# Altium PCB DC-DC_Conv.PcbDoc (part 3 of 3)
Units mm, origin at the board's own origin, x right, y up, seen from the top; angles counter-clockwise.
Board outline 250.1 x 400.1 mm, 4 copper layers (Top Layer 1, Top Layer, Bottom Layer, Bottom Layer 1), stack 0.603 mm thick; 353 components, 158 nets, 950 pads, 1314 vias.
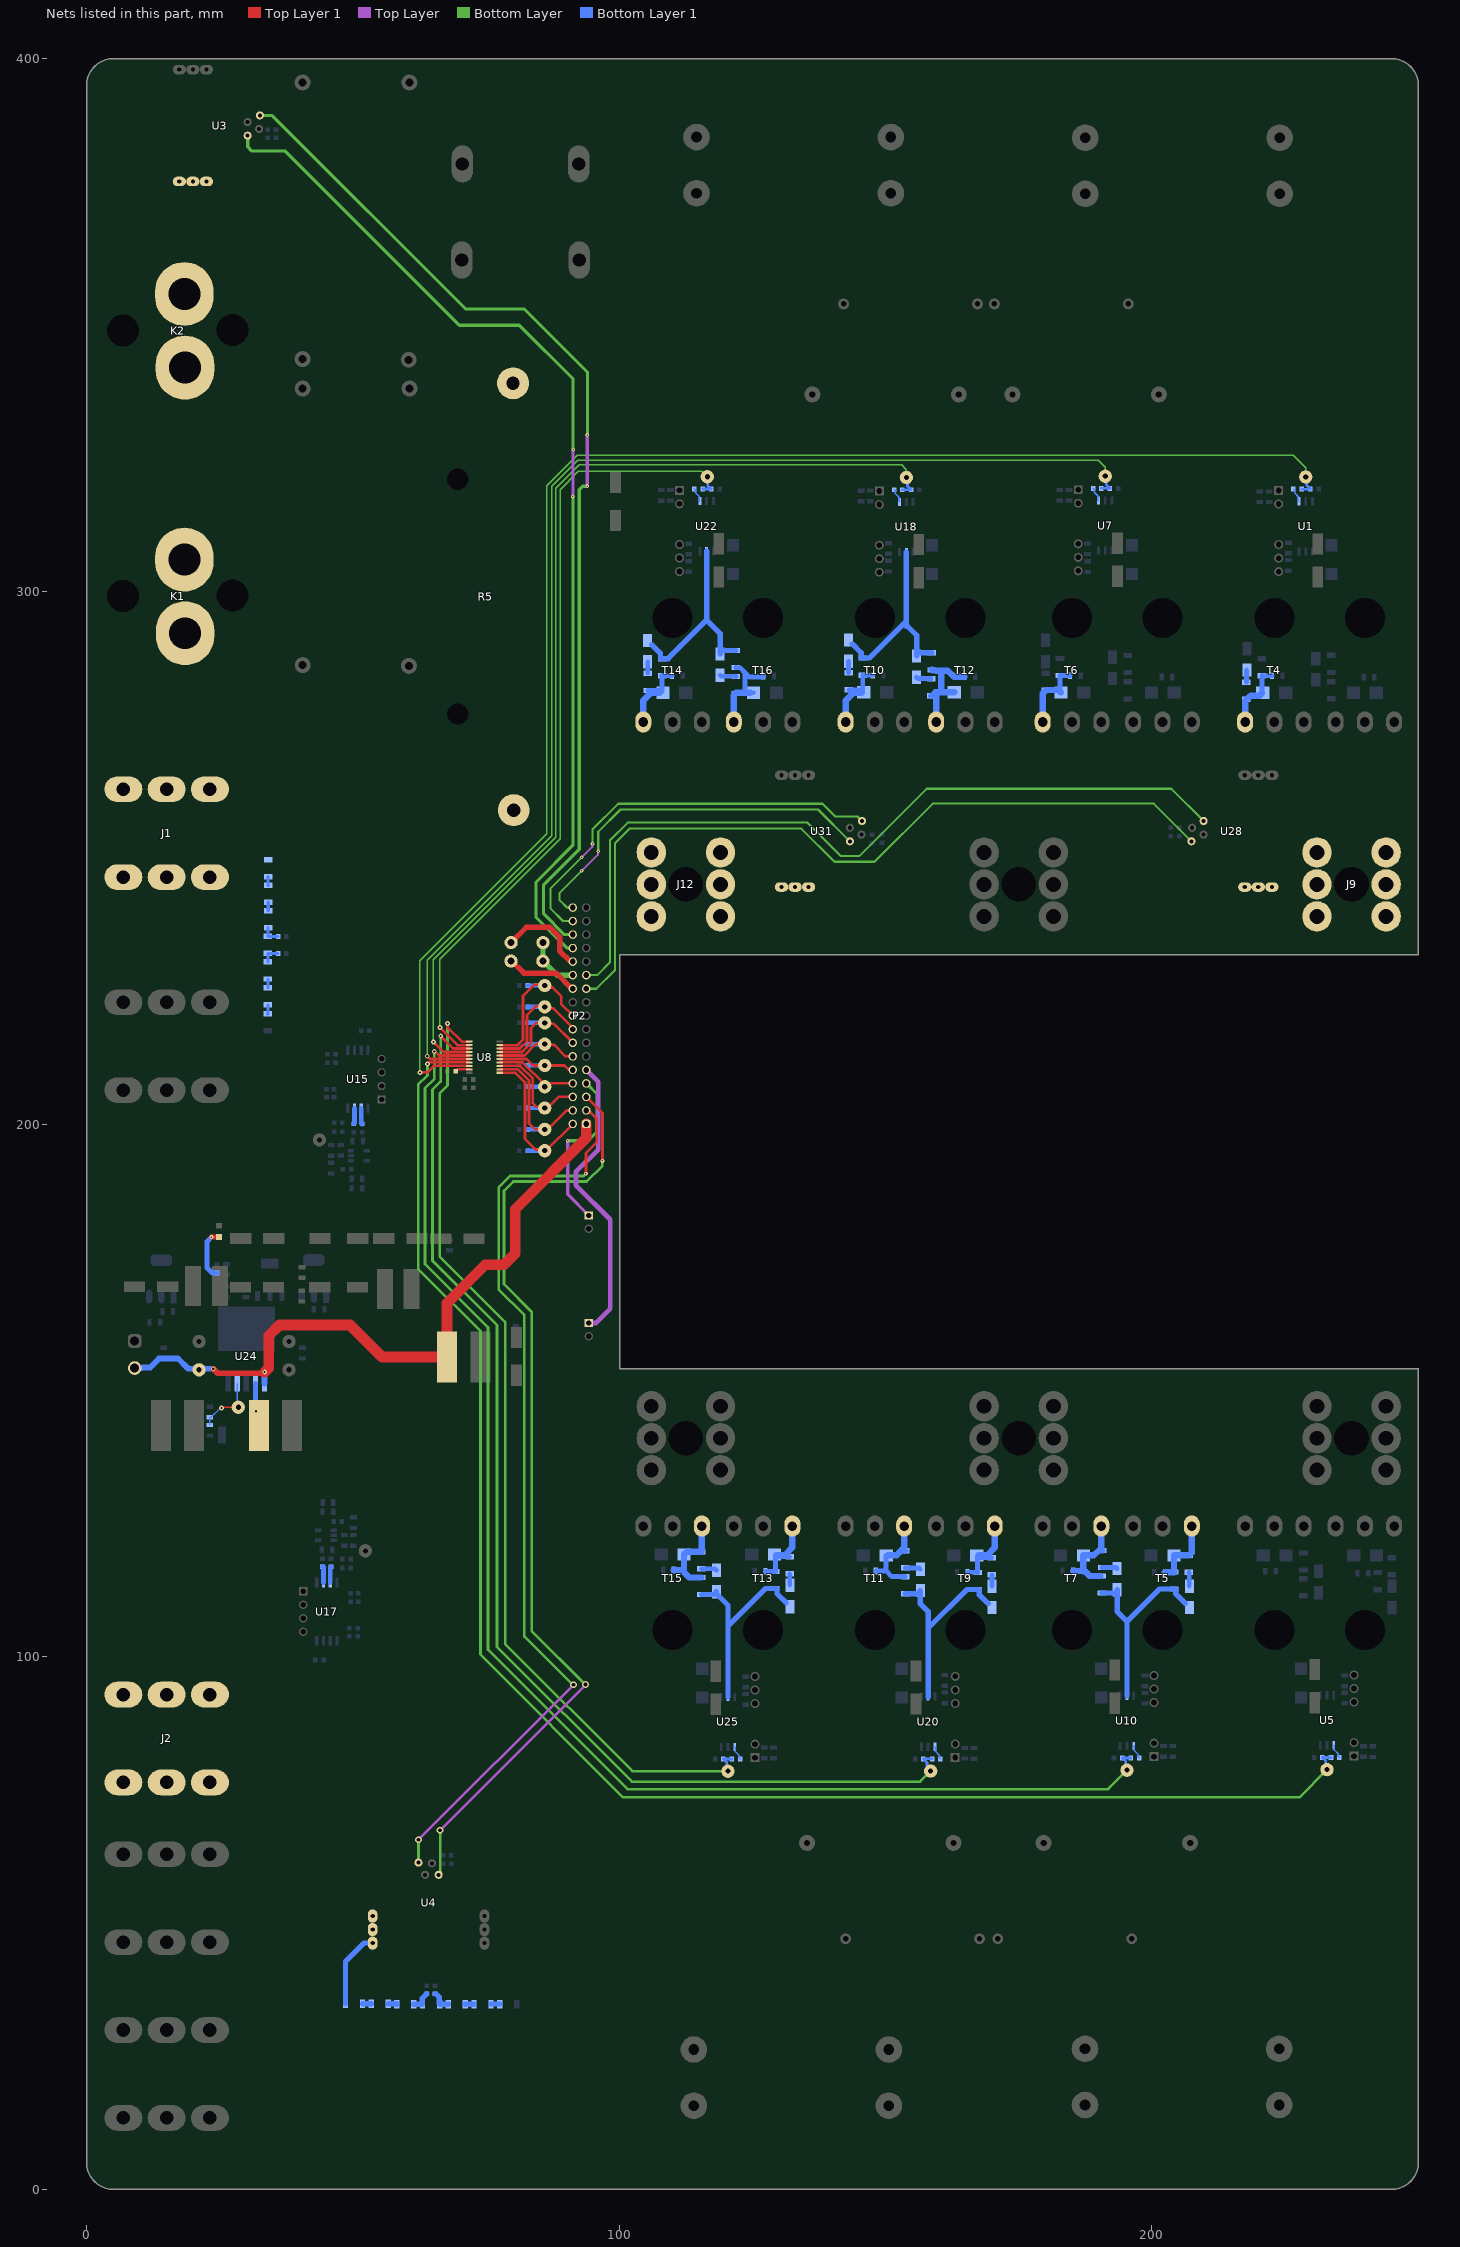
[diagram p5: the nets of this part, all layers, seen from the top]

## Via types
v1: diameter 0.9, hole 0.4, Top Layer 1 to Bottom Layer 1, 1203 vias
v2: diameter 1.27, hole 0.711, Top Layer 1 to Bottom Layer 1, tented both sides, 45 vias
v3: diameter 0.9, hole 0.4, Top Layer 1 to Bottom Layer 1, tented both sides, 41 vias
v4: diameter 0.7, hole 0.3, Top Layer 1 to Bottom Layer 1, tented both sides, 23 vias
v5: diameter 0.8, hole 0.3, Top Layer 1 to Bottom Layer 1, tented both sides, 2 vias

## Nets (pads, with @x,y where several pads share a name; then routed paths per layer and width w, separated by ;. In a path a pad name is that pad's centre, name@x,y a point inside that pad or via, vN(x,y) a via of type N, cw(c..) or ccw(c..) an arc to the next point about the centre after c; other vN are vias at no path point) (continued)
NetD10_2: D10.2 R36.1 R64.1 R65.1 T6.1 | length 13.8
  Bottom Layer 1 w0.9: R36.1@180.814,281.5 R36.1@180.852,281.539 ; D10.2@182.75,281.539 R64.1@182.75,284.225 ; R64.1@182.785,284.209 R65.1@184.616,284.209
  Bottom Layer 1 w1.2: T6.1@179.5,275.5 179.5,280.85 180.15,281.5 180.814,281.5 182.45,281.5 D10.2@182.925,281.025
NetD11_1: D11.1 D13.1 R67.2 R71.2 U10.5 | length 39.2
  Bottom Layer 1 w1: R67.2@190.55,111.925 193.125,111.925 193.475,112.275 D11.1@193.475,112.55 193.475,108.451 195.319,106.607 ; U10.5@195.319,92.637 195.319,106.607 ; D13.1@206.3,109.95 204.5,111.75 204.5,112.675 201.475,112.675 201.4,112.6 201.312,112.6 195.319,106.607
NetD11_2: D11.2 R66.2 | length 2.9
  Bottom Layer 1 w0.9: R66.2@190.65,116.725 193.3,116.725 D11.2@193.475,116.55
NetD12_2: D12.2 R66.1 R67.1 R68.1 T7.1 | length 17.2
  Bottom Layer 1 w1.2: R68.1@185.225,116.075 187.125,116.075 187.15,116.05 ; 187.15,116 D12.2@187.15,119 189.1,119 R66.1@190.188,120.088 ; 187.15,116.325 188.35,115.125 R67.1@190.35,115.125 ; T7.1@190.5,124.5 190.5,120.4 R66.1@190.188,120.088 ; R66.1@190.65,119.925 190.487,120.088 R66.1@190.188,120.088
NetD13_2: D13.2 R69.2 | length 2.6
  Bottom Layer 1 w0.9: R69.2@206.95,115.85 207,115.8 207.013,115.8 D13.2@207.013,113.238
NetD14_2: D14.2 R69.1 R71.1 R72.1 T5.1 | length 13.5
  Bottom Layer 1 w1.2: R72.1@202.45,115.825 202.475,115.85 204.175,115.85 R71.1@204.2,115.875 204.15,115.925 D14.2@204.15,119 204.175,119.025 206.925,119.025 R69.1@206.95,119.05 207.05,119.05 207.5,119.5 T5.1@207.5,124.5
NetD15_1: D15.1 L4.1 U24.2 | length 9.7
  Bottom Layer 1 w0.3: D15.1@31.61,141.609 D15.1@31.75,141.749
  Bottom Layer 1 w1: U24.2@31.674,151.253 31.674,146.203 31.75,146.127 v3(31.75,146.054) D15.1@31.75,141.749
NetD16_1: D16.1 D20.1 R74.2 R80.2 U18.5 | length 38
  Bottom Layer 1 w1: D20.1@143.75,290.15 145.425,288.475 R80.2@145.425,287.5 ; R80.2@145.725,287.5 R80.2@145.425,287.5 ; 153.909,293.459 153.909,294.434 ; U18.5@153.909,307.429 153.909,294.434 ; 153.944,293.669 155.825,291.788 155.825,288.475 D16.1@155.825,287.875 ; D16.1@156.175,288.475 R74.2@158.65,288.475 ; R80.2@145.425,287.5 146.975,287.5 153.909,294.434
NetD16_2: D16.2 R73.2 | length 2.9
  Bottom Layer 1 w0.9: D16.2@155.825,283.875 156.025,283.675 158.525,283.675 R73.2@158.575,283.625
NetD17_2: D17.2 R73.1 R74.1 R75.1 T12.1 | length 20.9
  Bottom Layer 1 w1.2: R73.1@158.575,280.425 159.5,280.425 ; R74.1@158.65,285.275 158.775,285.275 158.875,285.175 159.468,285.175 159.495,285.148 160.457,285.148 ; 159.35,281.1 160.457,281.1 ; T12.1@159.5,275.5 159.5,280.425 ; 159.5,281.1 159.5,280.425 ; D17.2@162.9,281.1 160.457,281.1 ; R75.1@164.825,284.025 162.975,284.025 162.9,283.95 161.702,285.148 160.457,285.148 ; 160.457,281.1 160.457,285.148
NetD18_2: D18.2 R82.2 | length 2.3
  Bottom Layer 1 w0.9: R82.2@217.75,282.95 217.787,282.988 217.787,285.212 D18.2@217.825,285.25
NetD19_2: D19.2 R82.1 R83.1 R84.1 T4.1 | length 16.3
  Bottom Layer 1 w0.5: D19.2@220.675,281.175 D19.2@220.85,281
  Bottom Layer 1 w0.9: T4.1@217.5,275.5 217.5,275.776 217.5,278.35 ; T4.1@217.552,275.5 T4.1@217.552,276.052 ; D19.2@220.675,281.175 R83.1@220.675,284.2 ; R83.1@220.7,284.175 220.71,284.184 222.541,284.184 R84.1@222.55,284.175
  Bottom Layer 1 w1.2: T4.1@217.552,275.5 217.552,278.35 217.552,279.524 217.75,279.722 R82.1@217.75,279.75 217.85,279.75 218.3,280.2 218.55,280.45 220.2,280.45 220.602,280.852 D19.2@220.602,280.951
NetD20_2: D20.2 R78.2 | length 2.1
  Bottom Layer 1 w0.9: R78.2@143.037,284.763 D20.2@143.037,286.862
NetD21_2: D21.2 R78.1 R80.1 R81.1 T10.1 | length 15.1
  Bottom Layer 1 w0.9: R78.1@143.075,281.525 D21.2@145.625,281.525 ; D21.2@145.725,281.275 R80.1@145.725,284.3 ; R80.1@145.76,284.284 R81.1@147.591,284.284
  Bottom Layer 1 w1.2: T10.1@142.5,275.5 142.5,279.524 143.927,280.951 D21.2@145.55,280.951
NetD22_1: D22.1 D24.1 R86.2 R90.2 U20.5 | length 39.5
  Bottom Layer 1 w1: R86.2@153.675,111.775 156.175,111.775 D22.1@156.525,112.125 ; D22.1@156.525,112.4 D22.1@156.525,112.125 ; U20.5@157.988,92.472 157.988,105.313 ; D24.1@169.25,109.95 167.575,111.625 167.575,112.6 R90.2@167.275,112.6 165.275,112.6 157.988,105.313 ; D22.1@156.525,112.125 156.525,109.9 157.988,108.437 157.988,105.313
NetD22_2: D22.2 R85.2 | length 3
  Bottom Layer 1 w0.9: R85.2@153.675,116.65 156.275,116.65 D22.2@156.525,116.4
NetD23_2: D23.2 R85.1 R86.1 R87.1 T11.1 | length 17.1
  Bottom Layer 1 w0.9: R87.1@148.175,116.075 150.1,116.075 ; D23.2@150.1,119 150.1,116.075 ; R86.1@153.675,114.975 153.625,115.025 151.15,115.025 150.1,116.075
  Bottom Layer 1 w1.2: D23.2@150.45,119.049 152.073,119.049 152.599,119.576 R85.1@153.274,120.251 ; T11.1@153.5,124.5 153.5,120.476 R85.1@153.274,120.251 ; R85.1@153.675,119.85 R85.1@153.274,120.251
NetD24_2: D24.2 R88.2 | length 2.1
  Bottom Layer 1 w0.9: D24.2@169.962,113.238 R88.2@169.962,115.337
NetD25_2: D25.2 R88.1 R90.1 R91.1 T9.1 | length 15.1
  Bottom Layer 1 w0.9: R91.1@165.409,115.816 R90.1@167.24,115.816 ; R90.1@167.275,115.8 D25.2@167.275,118.825 ; D25.2@167.375,118.575 R88.1@169.925,118.575
  Bottom Layer 1 w1.2: D25.2@167.45,119.049 169.073,119.049 170.5,120.476 T9.1@170.5,124.5
NetD26_1: D26.1 D28.1 R93.2 R97.2 U22.5 | length 39.1
  Bottom Layer 1 w1: D28.1@106.05,290.05 107.725,288.375 R97.2@107.725,287.4 ; R97.2@108.025,287.4 R97.2@107.725,287.4 ; U22.5@116.388,307.563 116.388,294.613 ; R93.2@121.9,288.925 119.275,288.925 118.925,288.575 D26.1@118.925,288.275 118.925,292.076 116.388,294.613 ; R97.2@107.725,287.4 109.175,287.4 116.388,294.613
NetD26_2: D26.2 R92.2 | length 3.1
  Bottom Layer 1 w0.9: D26.2@118.925,284.275 119.1,284.1 121.85,284.1 R92.2@121.9,284.05
NetD27_2: D27.2 R92.1 R93.1 R94.1 T16.1 | length 19.9
  Bottom Layer 1 w0.9: R92.1@121.9,280.85 122.973,280.85 ; R93.1@121.9,285.725 121.95,285.675 122.675,285.675 123.6,284.75 ; 123.5,281.1 123.6,281 123.6,284.75 ; D27.2@124.55,281 D27.2@125.2,281 ; R94.1@127.05,284.125 127,284.075 127,283.95 126.548,283.95 126.523,283.925 124.425,283.925 123.6,284.75
  Bottom Layer 1 w1.2: T16.1@121.5,275.5 121.5,280.55 121.901,280.951 D27.2@124.55,280.951
NetD28_2: D28.2 R95.2 | length 2.1
  Bottom Layer 1 w0.9: R95.2@105.337,284.663 D28.2@105.337,286.762
NetD29_2: D29.2 R95.1 R97.1 R98.1 T14.1 | length 15.1
  Bottom Layer 1 w0.9: R95.1@105.375,281.425 D29.2@107.925,281.425 ; D29.2@108.025,281.175 R97.1@108.025,284.2 ; R97.1@108.06,284.184 R98.1@109.891,284.184
  Bottom Layer 1 w1.2: T14.1@104.5,275.5 104.5,279.524 105.927,280.951 D29.2@107.55,280.951
NetD30_1: D30.1 D32.1 R100.2 R104.2 U25.5 | length 39.3
  Bottom Layer 1 w1: R100.2@115.425,111.65 117.875,111.65 118.225,112 D30.1@118.225,112.2 118.225,111.8 120.396,109.629 120.396,105.721 ; U25.5@120.396,92.443 120.396,105.721 ; D32.1@131.3,110.125 129.625,111.8 129.625,112.775 127.45,112.775 120.396,105.721
NetD30_2: D30.2 R99.2 | length 2.9
  Bottom Layer 1 w0.9: R99.2@115.425,116.475 117.95,116.475 D30.2@118.225,116.2
NetD31_2: D31.2 R99.1 R100.1 R101.1 T15.1 | length 17.1
  Bottom Layer 1 w1.2: R101.1@110.225,116.25 111.7,116.25 113.1,114.85 R100.1@115.425,114.85 ; 112.15,116.25 D31.2@112.15,119.175 112.65,119.675 R99.1@115.425,119.675 ; R99.1@115.075,119.725 115.5,120.15 T15.1@115.5,124.5
NetD32_2: D32.2 R102.2 | length 2.1
  Bottom Layer 1 w0.9: D32.2@132.013,113.412 R102.2@132.013,115.512
NetD33_2: D33.2 R102.1 R104.1 R105.1 T13.1 | length 15.1
  Bottom Layer 1 w0.9: R105.1@127.459,115.991 R104.1@129.29,115.991 ; R104.1@129.325,115.975 D33.2@129.325,119 ; D33.2@129.425,118.75 R102.1@131.975,118.75
  Bottom Layer 1 w1.2: D33.2@129.45,119.049 131.073,119.049 132.5,120.476 T13.1@132.5,124.5
NetD34_1: D34.1 R106.1 | length 9.9
  Top Layer 1 w0.9: v4(23.4,178.775) 24.8,178.775 D34.1@24.825,178.8
  Bottom Layer 1 w0.9: v4(23.4,178.775) 23.4,178.75 22.575,177.925 22.575,173 23.55,172.025 R106.1@24.475,172.025
NetJ1_1: J1.1 K1.2 R5.1 R32.2
NetJ2_1: J2.1 R33.2 U4.5 U4.6 U4.7 | length 14.5
  Bottom Layer 1 w1: R33.2@48.575,34.825 48.575,42.745 52.04,46.21 53.66,46.21 U4.7@53.675,46.195
NetJ9_1: J9.1 U28.5 U28.6 U28.7
NetJ10_1: J10.1 P2.9 | length 55.3
  Top Layer w0.9: P2.9@93.8,210.175 96.025,207.95 96.025,195.2 91.85,191.025 91.85,188.525 98.3,182.075 98.3,165.3 95.65,162.65 J10.1@94.275,162.65
NetJ12_1: J12.1 U31.8 U31.9 U31.10
NetJ13_1: J13.1 P2.7 | length 31.8
  Top Layer w0.6: v4(90.3,196.85) 90.3,186.8 J13.1@94.275,182.825
  Bottom Layer w0.6: v4(90.3,196.85) 94.125,196.85 95.8,198.525 95.8,205.635 P2.7@93.8,207.635
NetK1_1: K1.1 K2.2 R5.2
NetK2_1: K2.1 U3.8 U3.9 U3.10
NetK3_3: K3.3 K4.3 P2.24 | length 10.2
  Bottom Layer w0.6: K3.3@85.65,230.6 K3.3@85.675,230.625
  Bottom Layer w1: K3.3@85.65,230.6 88.285,227.965 P2.24@91.26,227.965 ; K3.3@85.675,230.625 K4.3@85.675,234.075
NetK3_4: K3.4 P2.22 | length 13.8
  Top Layer 1 w1: K3.4@79.65,230.6 79.8,230.6 82.075,228.325 88.15,228.325 91.05,225.425 P2.22@91.26,225.425
NetK4_4: K4.4 P2.26 | length 16.9
  Top Layer 1 w1: K4.4@79.675,234.075 82.525,236.925 86.975,236.925 88.8,235.1 88.8,232.5 90.795,230.505 P2.26@91.26,230.505
NetP2_2: P2.2 R23.2 TP2.1 U8.1 | length 31.3
  Top Layer 1 w0.5: U8.1@77.55,209.625 80.5,209.625 82.3,207.825 82.3,197.175 84.323,195.152 86.083,195.152 86.235,195 P2.2@91.26,200.025
  Bottom Layer 1 w0.8: R23.2@82.775,195 TP2.1@86,195
NetP2_3: P2.3 U4.2 | length 176
  Top Layer 1 w0.5: v2(62.3,65.6) v2@62.3,65.625 ; v4(93.73,190.675) 93.73,194.555 95.75,196.575 95.75,201.025 94.606,202.169 94.484,202.169 94.088,202.565 P2.3@93.8,202.565
  Top Layer w0.5: v2@62.3,65.625 91.375,94.7 v2(91.375,94.725)
  Bottom Layer w0.5: U4.2@62.27,61.308 62.285,61.323 62.285,65.585 v2(62.3,65.6) ; v2(91.375,94.725) 91.2,94.725 82.15,103.775 82.15,164.125 77.35,168.925 77.35,188.125 79.475,190.25 93.305,190.25 v4(93.73,190.675)
NetP2_4: P2.4 R31.2 TP10.1 U8.2 | length 27.8
  Top Layer 1 w0.5: U8.2@77.55,210.275 80.95,210.275 83.025,208.2 83.025,200.125 84.15,199 86.541,199 87.174,199.632 87.196,199.632 90.098,202.535 91.23,202.535 P2.4@91.26,202.565
  Bottom Layer 1 w0.8: R31.2@82.775,199 TP10.1@86,199
NetP2_5: P2.5 U4.1 | length 180.8
  Top Layer 1 w0.5: v2(66.35,67.375) 66.575,67.6 v2@66.575,67.625 ; P2.5@93.8,205.105 96.85,202.055 96.85,193.1 v4(96.825,193.075)
  Top Layer w0.5: v2@66.575,67.625 66.575,67.65 93.625,94.7 v2(93.625,94.75)
  Bottom Layer w0.5: U4.1@66.08,59.022 66.35,59.292 v2(66.35,67.375) ; v2(93.625,94.75) 93.6,94.75 83.525,104.825 83.525,164.75 78.35,169.925 78.35,187.45 80.1,189.2 93.875,189.2 96.825,192.15 v4(96.825,193.075)
NetP2_6: P2.6 R30.2 TP9.1 U8.3 | length 23.8
  Top Layer 1 w0.5: U8.3@77.55,210.925 81.375,210.925 83.75,208.55 83.75,203.875 84.398,203.227 85.773,203.227 TP9.1@86,203 86.5,203 88.605,205.105 P2.6@91.26,205.105
  Bottom Layer 1 w0.8: R30.2@82.775,203 TP9.1@86,203
NetP2_8: P2.8 R29.2 TP8.1 U8.4 | length 19.3
  Top Layer 1 w0.5: U8.4@77.55,211.575 81.85,211.575 86,207.425 TP8.1@86,207 86.541,207 87.186,207.645 P2.8@91.26,207.645
  Bottom Layer 1 w0.8: R29.2@82.775,207 TP8.1@86,207
NetP2_10: P2.10 R28.2 TP7.1 U8.5 | length 17.8
  Top Layer 1 w0.5: U8.5@77.55,212.225 82.55,212.225 83.775,211 TP7.1@86,211 89.7,211 90.515,210.185 P2.10@91.26,210.185
  Bottom Layer 1 w0.8: R28.2@82.775,211 TP7.1@86,211
NetP2_12: P2.12 R27.2 TP6.1 U8.6 | length 18.8
  Top Layer 1 w0.5: U8.6@77.55,212.875 82.175,212.875 84.293,214.993 85.993,214.993 TP6.1@86,215 86.108,214.892 87.707,214.892 89.875,212.725 P2.12@91.26,212.725
  Bottom Layer 1 w0.8: R27.2@82.775,215 TP6.1@86,215
NetP2_14: P2.14 R26.2 TP5.1 U8.7 | length 22.4
  Top Layer 1 w0.5: U8.7@77.55,213.525 81.75,213.525 83.425,215.2 83.425,218.05 84.293,218.918 85.918,218.918 TP5.1@86,219 86.152,218.848 87.677,218.848 P2.14@91.26,215.265
  Bottom Layer 1 w0.8: R26.2@82.775,219 TP5.1@86,219
NetP2_16: P2.16 R25.2 TP4.1 U8.8 | length 25
  Top Layer 1 w0.5: U8.8@77.55,214.175 81.3,214.175 82.65,215.525 82.65,220.45 84.293,222.093 85.907,222.093 86.252,221.748 87.577,221.748 91.26,218.065 P2.16@91.26,217.805
  Bottom Layer 1 w0.8: R25.2@82.775,222 TP4.1@86,222
NetP2_18: P2.18 R24.2 TP3.1 U8.9 | length 29.7
  Top Layer 1 w0.5: U8.9@77.55,214.825 80.9,214.825 81.925,215.85 81.925,224.075 84,226.15 85.85,226.15 86.364,225.636 87.464,225.636 89.075,224.025 89.075,222.53 P2.18@91.26,220.345
  Bottom Layer 1 w0.8: R24.2@82.775,226 TP3.1@86,226
NetP2_21: P2.21 U28.2 | length 150.1
  Bottom Layer w0.4: P2.21@93.8,225.415 95.69,225.415 99.175,228.9 99.175,252.725 101.925,255.475 134.175,255.475 140.4,249.25 147.925,249.25 158.85,260.175 200.347,260.175 U28.2@207.427,253.095
NetP2_23: P2.23 U28.1 | length 151.6
  Bottom Layer w0.4: P2.23@93.8,227.955 95.855,227.955 98.25,230.35 98.25,253.283 101.567,256.6 135.325,256.6 141.625,250.3 145.05,250.3 157.7,262.95 203.668,262.95 U28.1@209.713,256.905
NetP2_28: P2.28 U3.1 | length 194.5
  Top Layer w0.6: v4(91.275,317.85) 91.275,322.315 91.325,322.365 v4@91.325,326.573
  Bottom Layer w0.6: U3.1@30.212,385.595 30.212,383.488 31,382.7 37.275,382.7 69.975,350 81.225,350 91.325,339.9 v4(91.325,326.6) ; P2.28@91.26,233.035 91.217,233.078 90.099,233.078 84.35,238.827 84.35,245.4 91.275,252.325 v4(91.275,317.85)
NetP2_30: P2.30 U3.2 | length 194.2
  Top Layer w0.6: v4(93.975,319.8) 93.988,319.813 93.988,329.363 v4(94,329.375)
  Bottom Layer w0.6: U3.2@32.498,389.405 32.528,389.375 34.8,389.375 71.125,353.05 82.175,353.05 94,341.225 v4(94,329.375) ; P2.30@91.26,235.575 89.65,235.575 85.775,239.45 85.775,244.9 92.475,251.6 92.475,319.108 93.148,319.781 93.956,319.781 v4(93.975,319.8)
NetP2_32: P2.32 U31.2 | length 77.3
  Top Layer w0.4: v4(92.95,250.075) 94.918,252.043 94.918,252.593 v4(94.975,252.65)
  Bottom Layer w0.4: P2.32@91.26,238.115 89.435,238.115 87.05,240.5 87.05,244.175 v4(92.95,250.075) ; v4(94.975,252.65) 94.975,255.35 99.775,260.15 138.15,260.15 140.55,257.75 144.728,257.75 U31.2@145.573,256.905
NetP2_34: P2.34 U31.1 | length 70.3
  Top Layer w0.4: v4(92.95,247.55) 95.974,250.574 95.974,251.173 v4(96.031,251.231)
  Bottom Layer w0.4: P2.34@91.26,240.655 90.17,240.655 88.8,242.025 88.8,243.4 v4(92.95,247.55) ; v4(96.031,251.231) 96.031,254.881 100.225,259.075 137.307,259.075 U31.1@143.287,253.095
NetR2_1: R2.1 R21.2 TP18.1 U8.18 | length 281.8
  Top Layer 1 w0.5: v3(62.55,209.7) 63.95,209.7 65.175,210.925 U8.18@71.85,210.925
  Bottom Layer w0.254: v3(62.55,209.7) 62.55,230.675 86.4,254.525 86.4,319.9 92.1,325.6 226.575,325.6 228.894,323.281 TP18.1@228.894,321.509
  Bottom Layer 1 w0.5: R2.1@228.145,319.223 R21.2@229.77,319.223 229.77,319.248 229.595,319.423 229.57,319.423 229.103,319.89 229.103,321.3 TP18.1@228.894,321.509
NetR2_2: R2.2 U1.1 | length 2.7
  Bottom Layer 1 w0.3: R2.2@226.595,319.223 226.803,319.015 226.803,318.52 227.507,317.816 227.507,317.054 U1.1@227.624,316.937
NetR10_1: R10.1 R20.2 TP17.1 U8.17 | length 301
  Top Layer 1 w0.5: v3(63.975,211.3) 64.083,211.3 64.358,211.575 U8.17@71.85,211.575
  Bottom Layer w0.5: v3(63.975,211.3) 63.975,209.15 62.225,207.4 62.225,172.8 73.925,161.1 73.925,100.375 100.725,73.575 227.701,73.575 TP17.1@232.893,78.767
  Bottom Layer 1 w0.5: TP17.1@232.893,78.767 232.684,78.976 232.684,80.386 232.217,80.853 232.192,80.853 232.017,81.028 R20.2@232.017,81.053 R10.1@233.642,81.053
NetR10_2: R10.2 U5.1 | length 2.7
  Bottom Layer 1 w0.3: U5.1@234.163,83.339 234.28,83.222 234.28,82.46 234.984,81.756 234.984,81.261 R10.2@235.192,81.053
NetR14_2: R14.2 R103.1 TP11.1 U8.11 | length 184.2
  Top Layer 1 w0.5: v3(67.75,218.875) 67.75,218.15 70.425,215.475 U8.11@71.85,215.475
  Bottom Layer w0.5: v3(67.75,218.875) 67.75,207.25 66.25,205.75 66.25,175.15 78.575,162.825 78.575,102.35 102.452,78.473 TP11.1@120.396,78.473
  Bottom Layer 1 w0.5: TP11.1@120.396,78.473 120.187,78.682 120.187,80.092 119.72,80.559 119.695,80.559 119.52,80.734 R14.2@119.52,80.759 R103.1@121.145,80.759
NetR15_2: R15.2 R96.1 TP12.1 U8.12 | length 151
  Top Layer 1 w0.5: v3(66.3,218.15) 69.625,214.825 U8.12@71.85,214.825
  Bottom Layer w0.254: v3(66.3,218.15) 66.3,230.95 88.875,253.525 88.875,319.15 92.325,322.6 115.479,322.6 116.095,321.984 116.095,321.98 TP12.1@116.525,321.55
  Bottom Layer 1 w0.5: R96.1@115.639,319.247 117.064,319.247 R15.2@117.264,319.247 117.264,319.272 117.089,319.447 117.064,319.447 116.597,319.914 116.597,321.478 TP12.1@116.525,321.55
NetR16_2: R16.2 R89.1 TP13.1 U8.13 | length 223.8
  Top Layer 1 w0.5: v3(66.45,216.55) 66.45,216.5 68.775,214.175 U8.13@71.85,214.175
  Bottom Layer w0.5: v3(66.45,216.55) 66.45,207.975 64.925,206.45 64.925,174.325 77.025,162.225 77.025,101.825 102.353,76.497 122.756,76.497 156.458,76.497 TP13.1@158.463,78.502
  Bottom Layer 1 w0.5: TP13.1@157.988,78.502 157.779,78.711 157.779,80.121 157.312,80.588 157.287,80.588 157.112,80.763 R16.2@157.112,80.788 R89.1@158.737,80.788
NetR17_2: R17.2 R79.1 TP14.1 U8.14 | length 194.8
  Top Layer 1 w0.5: v3(65.1,215.425) 67,213.525 U8.14@71.85,213.525
  Bottom Layer w0.254: v3(65.1,215.425) 65.1,230.875 88.1,253.875 88.1,319.4 92.475,323.775 153,323.775 153.894,322.881 153.894,321.414 TP14.1@153.909,321.399
  Bottom Layer 1 w0.5: R79.1@153.16,319.113 R17.2@154.785,319.113 154.785,319.138 154.61,319.313 154.585,319.313 154.118,319.78 154.118,321.19 TP14.1@153.909,321.399
NetR18_2: R18.2 R70.1 TP15.1 U8.15 | length 261.5
  Top Layer 1 w0.5: v3(65.25,213.625) 65.358,213.625 66.108,212.875 U8.15@71.85,212.875
  Bottom Layer w0.5: v3(65.25,213.625) 65.25,208.5 63.5,206.75 63.5,173.675 75.35,161.825 75.35,101.3 101.55,75.1 191.752,75.1 TP15.1@195.319,78.667
  Bottom Layer 1 w0.5: TP15.1@195.319,78.667 195.11,78.876 195.11,80.286 194.643,80.753 194.618,80.753 194.443,80.928 R18.2@194.443,80.953 R70.1@196.068,80.953
NetR19_2: R19.2 R39.1 TP16.1 U8.16 | length 237.4
  Top Layer 1 w0.5: v3(63.925,212.725) 64.425,212.225 U8.16@71.85,212.225
  Bottom Layer w0.254: v3(63.925,212.725) 63.925,230.75 87.325,254.15 87.325,319.8 92.2,324.675 189.925,324.675 191.252,323.348 TP16.1@191.252,321.651
  Bottom Layer 1 w0.5: R39.1@190.503,319.365 R19.2@192.128,319.365 192.128,319.39 191.953,319.565 191.928,319.565 191.461,320.032 191.461,321.442 TP16.1@191.252,321.651
NetR22_2: R22.2 U8.19 | length 2.7
  Top Layer 1 w0.5: R22.2@69.275,209.925 69.287,209.913 69.65,210.275 U8.19@71.85,210.275
NetR32_1: R32.1 R37.2 | length 1.6
  Bottom Layer 1 w0.6: R32.1@34.05,246.425 34.05,244.875 R37.2@34.075,244.85
NetR33_1: R33.1 R38.2 | length 1.6
  Bottom Layer 1 w1: R33.1@51.775,34.825 53.35,34.825 R38.2@53.4,34.775
NetR37_1: R37.1 R40.2 | length 1.6
  Bottom Layer 1 w0.6: R40.2@34.05,240.05 34.075,240.075 R37.1@34.075,241.65
NetR38_1: R38.1 R41.2 | length 1.6
  Bottom Layer 1 w1: R38.1@56.6,34.775 58.175,34.775 R41.2@58.225,34.725
NetR39_2: R39.2 U7.1 | length 2.7
  Bottom Layer 1 w0.3: R39.2@188.953,319.365 189.161,319.157 189.161,318.662 189.865,317.958 189.865,317.196 U7.1@189.982,317.079
NetR40_1: R40.1 R46.2 R48.2 | length 3.5
  Bottom Layer 1 w0.6: R40.1@34.05,236.85 34.025,236.825 R48.2@34.025,235.25 34.05,235.225 R46.2@35.925,235.225
NetR41_1: R41.1 R47.2 R49.2 | length 3.9
  Bottom Layer 1 w1: R41.1@61.425,34.725 R49.2@63.05,34.725 63,34.775 63,35.825 R47.2@63.825,36.65
NetR42_2: R42.2 U15.7 | length 3
  Bottom Layer 1 w0.9: R42.2@50.135,200.051 50.265,200.181 U15.7@50.265,202.975
NetR43_2: R43.2 U17.7 | length 3
  Bottom Layer 1 w0.9: U17.7@45.735,113.908 45.735,116.702 R43.2@45.865,116.832
NetR48_1: R48.1 R54.2 R56.2 | length 3.5
  Bottom Layer 1 w0.6: R56.2@34,230.45 34.025,230.475 R48.1@34.025,232.05 34.075,232 R54.2@35.925,232
NetR49_1: R49.1 R55.2 R57.2 | length 4
  Bottom Layer 1 w1: R55.2@65.4,36.65 65.425,36.625 65.625,36.625 66.175,36.075 66.175,34.8 R49.1@66.25,34.725 R57.2@67.85,34.725
NetR50_2: R50.2 U15.6 | length 3.2
  Bottom Layer 1 w0.9: U15.6@51.535,202.975 51.535,200.076 51.66,199.951 51.66,200.001 R50.2@51.71,200.051
NetR51_2: R51.2 U17.6 | length 3.2
  Bottom Layer 1 w0.9: R51.2@44.29,116.832 44.34,116.882 44.34,116.932 44.465,116.807 U17.6@44.465,113.908
NetR56_1: R56.1 R60.2 | length 1.7
  Bottom Layer 1 w0.6: R60.2@34,225.575 R56.1@34,227.25
NetR57_1: R57.1 R61.2 | length 1.7
  Bottom Layer 1 w1: R57.1@71.05,34.725 72.675,34.725 R61.2@72.7,34.75
NetR60_1: R60.1 R62.2 | length 1.7
  Bottom Layer 1 w0.6: R62.2@33.975,220.725 34,220.75 R60.1@34,222.375
NetR61_1: R61.1 R63.2 | length 1.6
  Bottom Layer 1 w1: R61.1@75.9,34.75 R63.2@77.525,34.75
NetR70_2: R70.2 U10.1 | length 2.7
  Bottom Layer 1 w0.3: U10.1@196.589,83.239 196.706,83.122 196.706,82.36 197.41,81.656 197.41,81.161 R70.2@197.618,80.953
NetR76_1: R76.1 R77.2 TP21.1 U24.4 | length 12.1
  Top Layer 1 w0.3: v3(25.273,146.689) 25.4,146.816 TP21.1@28.448,146.816
  Bottom Layer 1 w0.3: R77.2@23.114,143.498 R76.1@23.114,144.927 23.339,144.927 25.101,146.689 v3(25.273,146.689) ; U24.4@28.27,151.253 28.27,146.994 TP21.1@28.448,146.816
NetR79_2: R79.2 U18.1 | length 2.7
  Bottom Layer 1 w0.3: R79.2@151.61,319.113 151.818,318.905 151.818,318.41 152.522,317.706 152.522,316.944 U18.1@152.639,316.827
NetR89_2: R89.2 U20.1 | length 2.7
  Bottom Layer 1 w0.3: U20.1@159.258,83.074 159.375,82.957 159.375,82.195 160.079,81.491 160.079,80.996 R89.2@160.287,80.788
NetR96_2: R96.2 U22.1 | length 2.7
  Bottom Layer 1 w0.3: R96.2@114.089,319.247 114.297,319.039 114.297,318.544 115.001,317.84 115.001,317.078 U22.1@115.118,316.961
NetR103_2: R103.2 U25.1 | length 2.7
  Bottom Layer 1 w0.3: U25.1@121.666,83.045 121.783,82.928 121.783,82.166 122.487,81.462 122.487,80.967 R103.2@122.695,80.759
VCC: C74.1 C77.2 L1.1 P1.2 P2.1 U24.1 | length 127.8
  Top Layer 1 w1.1: v3(23.749,154.055) 24.604,153.2 33.181,153.2 v3(33.401,153.42)
  Top Layer 1 w2: v3(33.401,153.42) 34.175,154.194 34.175,160.25 36.2,162.275 49.425,162.275 55.45,156.25 L1.1@67.65,156.25 67.65,166.375 74.85,173.575 78.35,173.575 80.45,175.675 80.45,184.025 93.8,197.375 P2.1@93.8,200.025
  Bottom Layer 1 w1.1: 10.375,154.182 10.488,154.295 11.924,154.295 13.579,155.95 14.451,155.95 C77.2@14.478,155.976 17.129,155.976 19.05,154.055 v3(23.749,154.055) ; U24.1@33.376,151.253 33.401,151.278 v3(33.401,153.42)
pads on no net: J6.0 J7.0 J8.0 J9.0 J11.0 J12.0 K1.0 K2.0 R5.0 T1.0 T2.0 T3.0 T4.0 T5.0 T6.0 T7.0 T8.0 T9.0 T10.0 T11.0 T12.0 T13.0 T14.0 T15.0 T16.0 U1.2 U5.2 U7.2 U10.2 U18.2 U20.2 U22.2 U25.2

## Polygon pours and split planes (outlines as drawn)
NetC7_1 on Top Layer 1 "NETC7_1_L01_P152" (solid, pour order 152): 182.9,40.675 182.9,25.75 186,22.65 227.2,22.65 229.775,25.225 229.775,39.55 224.575,44.75 215.3,44.75 211.75,48.3 211.75,61.15 215,64.4 218.3,64.4 227.2,73.3 227.2,109.475 231.525,113.8 240.15,113.8 242.375,116.025 242.375,127.125 241.675,127.825 238.275,127.825 237.75,127.3 237.75,121.2 236.275,119.725 226.6,119.725 225.4,120.925 225.4,126.975 224.55,127.825 221.95,127.825 220.75,126.625 220.75,121.3 219.175,119.725 215.783,119.725 212.975,116.917 212.975,78.65 210.825,76.5 203.175,76.5 194.8,68.125 194.825,68.1 194.825,52.6
GND on Top Layer 1 "GND_L01_P100" (solid, pour order 100): 0.588,179.438 5.238,184.088 48.413,184.088 50.688,186.363 50.688,205.938 52.65,207.9 57.9,207.9 60.775,210.775 60.775,229.675 77.8,246.7 97.5,246.7 99.675,244.525 99.675,160.2 97.2,157.725 90.075,157.725 87.375,155.025 87.375,139.375 78.537,130.538 4.738,130.538 0.563,134.713 0.588,134.738
NetC5_2 on Top Layer 1 "NETC5_2_L01_P137" (solid, pour order 137): 162.175,364.625 159.675,362.125 159.675,353.425 159.675,334.625 162.112,332.187 162.113,298.963 145.575,282.425 145.575,273.65 146.925,272.3 149.175,272.3 150.275,273.4 150.275,278.7 151.775,280.2 161.162,280.2 162.55,278.812 162.55,272.687 163.488,271.75 166.488,271.75 167.375,272.637 167.375,278.787 168.788,280.2 186.938,280.2 188.2,278.937 188.2,272.887 189.338,271.75 191.875,271.75 192.975,272.85 192.975,277.912 195.262,280.2 203.775,280.2 205.15,278.825 205.15,270.9 205.8,270.25 209.575,270.25 210.375,271.05 210.375,282.025 206.25,286.15 180.987,286.15 176,291.137 176,332.7 179.225,335.925 179.225,362.075 176.675,364.625
NetC66_1 on Top Layer 1 "NETC66_1_L01_P145" (solid, pour order 145): 101,149.4 105.4,153.8 125.05,153.8 129.475,149.375 129.475,123.275 128.25,122.05 125.575,122.05 124.675,122.95 124.675,128.4 123.8,129.275 113.3,129.275 112.325,128.3 112.325,123.125 111.275,122.075 109,122.075 107.75,123.325 107.775,123.35 107.775,128.175 106.675,129.275 104.4,129.275 101,132.675
NetC1_1 on Top Layer 1 "NETC1_1_L01_P144" (solid, pour order 144): 145.7,148.9 150.55,153.75 194.8,153.75 198.825,149.725 198.825,128.65 198.825,123.875 197.45,122.5 194.85,122.5 193.3,124.05 193.3,127.6 191.1,129.8 183.325,129.8 181.9,128.375 181.9,123.4 181,122.5 178.125,122.5 177.075,123.55 177.075,128.225 175.5,129.8 168.725,129.8 167.35,128.425 167.35,123.15 166.35,122.15 163.65,122.15 162.6,123.2 162.6,128.45 161.25,129.8 151.675,129.8 150.425,128.55 150.425,123.5 149.075,122.15 147.15,122.15 145.7,123.6 145.7,128.875
NetC20_1 on Top Layer 1 "NETC20_1_L01_P143" (solid, pour order 143): 244.3,154 249.075,149.225 249.075,133.025 247.35,131.3 239.213,131.3 236.85,128.937 236.85,123.25 235.7,122.1 233.25,122.1 231.6,123.75 231.6,128.637 229.087,131.15 221.7,131.15 219.8,129.25 219.8,123 218.9,122.1 215.875,122.1 214.275,123.7 214.275,148.253 220.455,154
NetC1_1 on Top Layer 1 "NETC1_1_L01_P142" (solid, pour order 142): 162.925,41.425 160.1,44.25 160.1,69.3 172.475,81.675 172.475,110.9 169.85,113.525 148.975,113.525 145.65,116.85 145.65,127.025 146.5,127.875 149.375,127.875 150.475,126.775 150.475,121.05 150.675,120.85 162.225,120.85 162.625,121.25 162.625,126.675 163.825,127.875 166,127.875 167.425,126.45 167.425,121.2 167.775,120.85 175.325,120.85 177.075,122.6 177.075,126.575 178.375,127.875 180.55,127.875 181.9,126.525 181.9,121.25 182.575,120.575 191.6,120.575 193.3,122.275 193.3,126.35 194.825,127.875 198.075,127.875 198.95,127 198.95,110.175 185.2,96.425 185.2,48.65 177.975,41.425
NetC1_2 on Top Layer 1 "NETC1_2_L01_P139" (solid, pour order 139): 1.95,64.175 4.675,66.9 28.175,66.9 31.05,64.025 31.05,59.65 53.875,36.825 53.95,36.9 135.675,36.9 137.075,38.3 137.075,45.675 136.925,45.675 128.3,54.3 128.3,62.425 124.4,66.325 104.525,66.325 99.2,71.65 99.2,123.8 102.775,127.375 105.95,127.375 106.8,126.525 106.8,121.275 108.35,119.725 117.025,119.725 118.65,121.35 118.65,125.675 120.35,127.375 122.35,127.375 123.85,125.875 123.85,118.85 123.85,111.25 112.35,99.75 112.35,78.725 114.475,76.6 136.725,76.6 139.875,73.45 139.875,68.325 139.875,57.425 142,55.3 155.775,41.525 155.775,25.45 152.075,21.75 44.375,21.75 25.25,40.875 4.425,40.875 1.95,43.35
NetC5_2 on Top Layer 1 "NETC5_2_L01_P138" (solid, pour order 138): 165.65,234.225 163.35,236.525 163.35,255.7 159.85,259.2 152.05,259.2 145.5,265.75 145.5,277.05 146.675,278.225 146.7,278.2 149.225,278.2 150.275,277.15 150.275,271.625 151.55,270.35 161.45,270.35 162.55,271.45 162.55,277.175 163.825,278.45 166.25,278.45 167.4,277.3 167.4,271.4 168.45,270.35 187.05,270.35 188.1,271.4 188.1,276.85 189.5,278.25 191.525,278.25 192.975,276.8 192.975,271.725 193.875,270.825 204.5,270.825 205.15,271.475 205.15,277.275 206.325,278.45 209.4,278.45 210.35,277.5 210.35,265.525 204.025,259.2 192.05,259.2 186.575,253.725 186.575,236.475 184.308,234.208
NetC6_2 on Top Layer 1 "NETC6_2_L01_P135" (solid, pour order 135): 88.1,365.85 91.475,369.225 99.05,369.225 109.175,379.35 151.5,379.35 154.15,376.7 154.15,372.975 146.45,365.275 146.45,349.3 140.35,343.2 140.35,306.65 136.65,302.95 136.65,275.725 133.575,272.65 131.4,272.65 130.025,274.025 130.025,278.9 129.875,279.05 119.875,279.05 117.725,276.9 117.725,273.875 116.5,272.65 114.425,272.65 113.15,273.925 113.15,289.9 124.7,301.45 124.7,343.525 134.325,353.15 134.325,364.675 131.475,367.525 113.925,367.525 104.1,357.7 104.025,357.7 101.925,355.6 101.85,355.675 91.65,355.675 88.1,359.225
NetC60_1 on Top Layer 1 "NETC60_1_L01_P134" (solid, pour order 134): 107.525,265.85 107.525,276.825 108.425,277.725 111.65,277.725 112.25,277.125 112.25,271.5 113.425,270.325 123.55,270.325 124.65,271.425 124.65,276.7 125.675,277.725 128.225,277.725 129.225,276.725 129.225,271.5 130.4,270.325 136.125,270.325 138.925,267.525 138.925,263.7 136.5,261.275 112.1,261.275
NetC5_1 on Top Layer 1 "NETC5_1_L01_P130" (solid, pour order 130): 87.65,386.15 100.05,398.55 173.85,398.55 181.4,391 181.4,384.075 184.775,380.7 224.325,380.7 228.1,376.925 228.1,372.2 225.325,369.425 209.2,369.425 203.737,363.962 203.737,345.663 207.45,341.95 242.7,341.95 248.975,335.675 248.975,282.725 245.825,279.575 243.15,279.575 242.35,278.775 242.35,273.275 241.375,272.3 241.35,272.325 238.575,272.325 237.6,273.3 237.6,278.75 236.9,279.45 225.975,279.45 225.375,278.85 225.375,273 225.3,273 224.375,272.075 221.425,272.075 220.675,272.825 220.675,278.725 220,279.4 220,282.05 223.75,285.8 232.325,285.8 235.85,289.325 235.85,322.25 229.725,328.375 197.025,328.375 188.7,336.7 188.7,359.55 170.5,377.75 164.55,383.7 159.575,383.7 153.827,389.448 148.652,389.448 142.905,383.7 122.875,383.7 117.325,389.25 111.7,389.25 106.15,383.7 103.7,383.7 95.052,375.052 89.948,375.052 87.65,377.35
NetJ9_1 on Top Layer 1 "NETJ9_1_L01_P126" (solid, pour order 126): 247.879,235.554 245.325,233 224.225,233 222.225,235 222.225,239.55 220.325,241.45 214.575,241.45 213.3,242.725 213.3,246.925 214.45,248.075 220.375,248.075 222.225,249.925 222.225,255.6 223.55,256.925 245.5,256.925 247.721,254.704
NetJ12_1 on Top Layer 1 "NETJ12_1_L01_P118" (solid, pour order 118): 102.27,254.595 104.675,257 125.775,257 129.6,253.175 129.6,251.4 132.45,248.55 136.25,248.55 137.95,246.85 137.95,242.125 136.525,240.7 133,240.7 129.125,236.825 129.125,235.05 127.15,233.075 104.5,233.075 102.431,235.144
NetC92_1 on Top Layer 1 "NETC92_1_L01_P110" (solid, pour order 110): 0.675,224.6 4.625,228.55 25.925,228.55 43.125,245.75 43.125,278.3 37.675,283.75 37.675,288.675 43.125,294.125 43.125,353.65 57.25,367.775 72,367.775 74.9,364.875 74.9,358.95 71.775,355.825 65.85,355.825 57.8,347.775 57.8,293.775 63.075,288.5 63.075,283.925 57.8,278.65 57.8,239.25 29.675,211.125 29.675,204.925 25.75,201 5.05,201 0.675,205.375
NetJ1_1 on Top Layer 1 "NETJ1_1_L01_P081" (solid, pour order 81): 4.464,242.686 1.4,245.75 1.4,263.975 5.425,268 8.45,268 11.5,271.05 11.5,294.975 14.775,298.25 21.75,298.25 24.5,295.5 24.5,269.325 25.9,267.925 27.075,267.925 29.75,265.25 29.75,246.75 25.664,242.664
NetK1_1 on Top Layer 1 "NETK1_1_L01_P080" (solid, pour order 80): 26.405,302.755 23.325,299.675 13.8,299.675 10.35,303.125 10.35,344.813 13.825,348.288 22.8,348.288 26.495,344.593
NetK2_1 on Top Layer 1 "NETK2_1_L01_P079" (solid, pour order 79): 10.395,374.658 14.925,379.188 24,379.188 27.725,375.463 27.725,354.5 22.75,349.525 13.662,349.525 10.349,352.839
NetC17_2 on Top Layer 1 "NETC17_2_L01_P078" (solid, pour order 78): 13.85,398.4 15.2,399.75 62.95,399.75 74.95,387.75 74.95,377.1 73.05,375.2 68.225,375.2 51.1,392.325 15.675,392.325 13.85,394.15
NetC2_1 on Top Layer 1 "NETC2_1_L01_P052" (solid, pour order 52): 216.629,261.05 215.375,262.13 215.375,268.275 217.975,270.875 225.5,270.875 226.245,271.62 226.245,277.637 227.145,278.537 229.995,278.537 230.92,277.612 230.92,271.805 231.85,270.875 242.45,270.875 243.175,271.6 243.175,277.243 244.47,278.537 246.688,278.537 248.4,276.825 248.4,264.196 244.592,261.05
NetC1_2 on Bottom Layer 1 "NETC1_2_L04_P151" (solid, pour order 151): 1.95,64.175 4.7,66.925 4.7,66.95 28.1,66.95 31.05,64 31.05,43.425 28.45,40.825 4.45,40.825 1.975,43.3
GND on Bottom Layer 1 "GND_L04_P107" (solid, pour order 107): 0.525,179.55 5.175,184.2 35.625,184.2 37.15,185.725 37.15,204 41.5,208.35 59.5,208.35 63.5,204.35 63.5,184.75 64.925,183.325 84.525,183.325 87.375,180.475 87.375,139.425 78.55,130.6 78.45,130.7 58.875,130.7 54.625,126.45 54.625,109.975 53.275,108.625 53.25,108.65 39.875,108.65 38.075,110.45 38.075,128.575 36.025,130.625 4.7,130.625 4.7,130.65 0.525,134.825
NetC5_2 on Bottom Layer 1 "NETC5_2_L04_P149" (solid, pour order 149): 165.65,234.225 163.375,236.5 163.375,255.725 164.825,257.175 184.975,257.175 186.6,255.55 186.575,255.525 186.575,236.425 184.375,234.225
NetC1_1 on Bottom Layer 1 "NETC1_1_L04_P148" (solid, pour order 148): 1.025,31.2 3.95,34.125 26.875,34.125 26.9,34.15 29.575,31.475 29.575,26.025 29.525,25.975 33.275,22.225 156.975,22.225 162.425,27.675 162.425,41.925 160.1,44.25 160.1,50.45 162.425,52.775 180.625,52.775 182.125,51.275 182.125,45.575 178.125,41.575 178.125,26.65 183.825,20.95 225.45,20.95 228.85,17.55 228.85,12.475 225.2,8.825 4.05,8.825 1.025,11.85
NetC20_1 on Bottom Layer 1 "NETC20_1_L04_P147" (solid, pour order 147): 235.762,122.187 236.85,123.275 236.85,128.9 239.15,131.2 247.25,131.2 249.025,132.975 249.025,149.3 244.425,153.9 191.35,153.9 185.825,148.375 185.825,132.85 182.725,129.75 182.725,123.3 183.95,122.075 185.975,122.075 187.325,123.425 187.325,128.425 188.65,129.75 198.35,129.75 199.75,128.35 199.75,123.3 200.975,122.075 203.2,122.075 204.425,123.3 204.425,127.975 206.2,129.75 211.323,129.75 214.325,126.748 214.325,123.65 215.9,122.075 218.9,122.075 219.9,123.075 219.9,129.3 221.8,131.2 229.15,131.2 231.625,128.725 231.625,123.75 233.167,122.208
NetC66_1 on Bottom Layer 1 "NETC66_1_L04_P146" (solid, pour order 146): 101,149.425 105.4,153.825 159.575,153.825 162.675,150.725 162.675,128.95 161.35,127.625 161.35,123 160.575,122.225 157.6,122.225 156.775,123.05 156.775,127.775 154.725,129.825 145.65,129.825 144.975,129.15 144.975,123.15 144.05,122.225 141,122.225 140.175,123.05 140.175,126.1 136.175,130.1 131.125,130.1 129.45,128.425 129.45,123.25 128.3,122.1 125.525,122.1 124.7,122.925 124.7,128.325 123.725,129.3 113.35,129.3 112.375,128.325 112.375,123.15 111.325,122.1 108.975,122.1 107.775,123.3 107.775,128.2 106.675,129.3 104.375,129.3 101,132.675
NetC5_2 on Bottom Layer 1 "NETC5_2_L04_P136" (solid, pour order 136): 109.673,386.648 115.175,392.15 224.25,392.15 229.675,386.725 229.675,383.25 227.025,380.6 182.45,380.6 179.15,377.3 179.15,347.525 179.15,335.85 173.875,330.575 163.75,330.575 159.7,334.625 159.7,346.9 159.7,377.475 156.575,380.6 112.4,380.6 109.658,383.342
NetC60_1 on Bottom Layer 1 "NETC60_1_L04_P133" (solid, pour order 133): 112.037,261.275 107.525,265.787 107.525,276.85 108.425,277.75 111.65,277.75 112.225,277.175 112.225,271.55 113.42,270.355 123.58,270.355 124.683,271.458 124.683,276.754 125.833,277.904 128.058,277.904 129.233,276.729 129.233,271.492 130.37,270.355 149.959,270.355 151.183,271.579 151.183,276.658 152.575,278.05 154.875,278.05 156.25,276.675 156.25,271.512 157.407,270.355 166.955,270.355 168.15,271.55 168.15,277.075 169.125,278.05 172.125,278.05 173.308,276.867 173.308,265.183 169.4,261.275
NetJ9_1 on Bottom Layer 1 "NETJ9_1_L04_P128" (solid, pour order 128): 247.879,235.554 245.325,233 224.225,233 222.225,235 222.225,239.55 220.325,241.45 214.575,241.45 213.3,242.725 213.3,246.925 214.45,248.075 220.375,248.075 222.225,249.925 222.225,255.6 223.55,256.925 245.5,256.925 247.721,254.704
GND on Bottom Layer 1 "GND_L04_P090" (solid, pour order 90): 27.425,389.9 29.125,391.6 35.1,391.6 41.15,385.55 41.15,383.225 38,380.075 36.65,381.425 29.475,381.425 27.425,383.475
NetJ12_1 on Bottom Layer 1 "NETJ12_1_L04_P116" (solid, pour order 116): 102.295,254.645 104.6,256.95 125.725,256.95 129.55,253.125 129.55,251.35 132.325,248.575 136.175,248.575 137.9,246.85 137.9,242.1 136.5,240.7 133,240.7 129.075,236.775 129.075,235 127.1,233.025 104.525,233.025 102.456,235.094
NetC7_1 on Bottom Layer 1 "NETC7_1_L04_P071" (solid, pour order 71): 74.375,43.35 71.75,45.975 71.75,60.25 86.475,74.975 190.3,74.975 208.05,57.225 208.05,44.775 203.325,40.05 191.825,40.05 189.05,42.825 189.05,49.35 184.1,54.3 81.475,54.3 77.925,50.75 77.925,44.825 76.45,43.35
NetK1_1 on Bottom Layer 1 "NETK1_1_L04_P087" (solid, pour order 87): 74.597,344.7 82.275,344.7 86.375,340.6 86.375,335.175 76.375,325.175 68.375,325.175 42.9,299.7 13.55,299.7 9.75,303.5 9.75,309.9 16.225,316.375 47.201,316.375
GND on Bottom Layer 1 "GND_L04_P091" (solid, pour order 91): 60.475,59.975 63.5,56.95 67.5,56.95 70.2,59.65 70.2,67.15 68.9,68.45 63.025,68.45 60.475,65.9
NetC92_1 on Bottom Layer 1 "NETC92_1_L04_P086" (solid, pour order 86): 0.6,224.625 4.725,228.75 27.425,228.75 28.925,227.25 28.925,219.65 30.55,218.025 35.075,218.025 35.075,216.675 34.125,215.725 31.7,215.725 29.675,213.7 29.675,204.925 25.75,201 5.05,201 5.05,201.075 0.6,205.525
NetJ1_1 on Bottom Layer 1 "NETJ1_1_L04_P085" (solid, pour order 85): 4.375,242.7 1.35,245.725 1.35,263.975 3.175,265.8 81.325,265.8 85.1,262.025 85.1,257.425 76.55,248.875 31.875,248.875 25.675,242.675
NetC17_1 on Bottom Layer 1 "NETC17_1_L04_P082" (solid, pour order 82): 38.19,344.04 40.2,346.05 60.85,346.05 63.1,343.8 63.1,337.6 61.05,335.55 40.25,335.55 38.359,337.441
NetJ2_1 on Bottom Layer 1 "NETJ2_1_L04_P072" (solid, pour order 72): 1.35,94.125 4.475,97.25 28.275,97.25 31.95,93.575 31.95,87.625 56.275,63.3 56.275,45.825 54.825,44.375 52.175,44.375 50.1,46.45 50.1,49.9 27.675,72.325 3.575,72.325 1.35,74.55
NetC2_1 on Bottom Layer 1 "NETC2_1_L04_P054" (solid, pour order 54): 182.675,277.375 183.45,278.15 186.5,278.15 187.3,277.35 187.3,271.375 187.8,270.875 199.05,270.875 199.625,271.45 199.625,277.3 200.475,278.15 203.475,278.15 204.275,277.35 204.275,271.475 204.875,270.875 225.45,270.875 226.175,271.6 226.175,277.625 226.7,278.15 230.35,278.15 230.975,277.525 230.975,271.775 231.875,270.875 242.45,270.875 243.175,271.6 243.175,277.275 244.05,278.15 247.075,278.15 248.4,276.825 248.4,264.151 244.763,261.15 186.9,261.15 182.675,265.375
GND on Bottom Layer "GND_L03_P102" (solid, pour order 102): 105.7,85.65 87.256,104.094 87.256,155.156 89.925,157.825 97.2,157.825 99.98,160.605 99.98,311.508 102.924,314.451 229.399,314.451 232.549,317.601 232.549,321.201 227.274,326.476 99.199,326.476 95.125,330.55 95.125,341.8 82.75,354.175 72.393,354.175 35.006,391.562 29.112,391.562 27.421,389.871 27.421,383.371 29.431,381.362 36.813,381.362 69.554,348.621 80.471,348.621 90.081,339.012 90.081,324.383 85.699,320.001 85.699,254.651 60.749,229.701 60.749,210.776 58.369,208.396 41.671,208.396 37.121,203.846 37.121,185.571 35.596,184.046 5.146,184.046 0.496,179.396 0.496,134.671 4.681,130.487 35.981,130.487 38.046,128.421 38.046,110.296 39.846,108.496 59.904,108.496 75.574,92.826 75.574,80.951 60.474,65.851 60.474,59.901 63.474,56.901 67.474,56.901 70.174,59.601 70.174,68.051 85.548,83.425 88.825,83.425 100.3,71.95 236.393,71.95 242.65,78.207 242.65,84.125 241.125,85.65
GND on Bottom Layer "GND_L03_P119" (solid, pour order 119): 98.275,265.65 103.075,260.85 154.175,260.85 157.275,263.95 205.125,263.95 211.6,257.475 211.6,254.175 208.7,251.275 206.55,251.275 198.7,259.125 159.2,259.125 148.525,248.45 139.6,248.45 133.6,254.45 102.15,254.45 98.275,250.575
GND on Top Layer "GND_L02_P104" (solid, pour order 104): 105.775,85.625 87.275,104.125 87.275,154.975 90.075,157.775 97.175,157.775 99.7,160.3 99.7,311.275 102.95,314.525 229.4,314.525 232.568,317.693 232.568,321.264 227.307,326.525 99.075,326.525 95.15,330.45 95.15,341.675 82.6,354.225 72.425,354.225 35.025,391.625 29.132,391.625 27.441,389.934 27.441,383.434 29.45,381.425 36.8,381.425 69.541,348.684 80.491,348.684 90.1,339.075 90.1,324.4 85.675,319.975 85.675,254.5 60.775,229.6 60.775,210.75 58.484,208.459 41.691,208.459 37.141,203.909 37.141,185.634 35.616,184.109 5.166,184.109 0.516,179.459 0.516,134.734 4.7,130.55 36,130.55 38.066,128.484 38.066,110.359 39.866,108.559 59.616,108.559 75.593,92.582 75.593,81.014 60.493,65.914 60.493,59.964 63.493,56.964 67.493,56.964 70.193,59.664 70.193,68.114 85.404,83.325 88.95,83.325 100.325,71.95 236.35,71.95 242.65,78.25 242.65,84.1 241.125,85.625
GND on Top Layer "GND_L02_P121" (solid, pour order 121): 98.275,265.65 103.075,260.85 154.175,260.85 157.4,264.075 205,264.075 211.6,257.475 211.6,254.175 208.7,251.275 206.55,251.275 198.7,259.125 159.175,259.125 148.45,248.4 139.65,248.4 133.6,254.45 102.15,254.45 98.275,250.575

## Other copper
Bottom Layer 1:
  pour cut-out: 132.5,66.5 133.625,67.625 181.275,67.625 182.35,66.55 182.35,63.625 181.15,62.425 133.85,62.425 132.5,63.775

## Silkscreen, mask and mechanical layers (free items; w line width, h text height)
Top Overlay:
  drawing of 1400 lines, arcs and shapes, not listed
  text "185-196" at 192.029,236.654 h1.52
  text "+VBAT" at 4.55,236.275 h4
  text "-VBAT" at 4.2,194.675 h4
  text "+VBUS" at 5.15,99.9 h4
  text "-VBUS" at 5.15,67.487 h4
  text "0V" at 5.15,34.487 h4
Top Solder:
  lines w3: 17.385,377 22.465,377 ; 115.625,274.95 115.625,278.175 119.8,282.35 128.025,282.35 133.625,276.75
  lines w4: 16.95,397.6 29.15,397.6 31.165,395.585 ; 133.625,276.75 133.625,329.225
  lines w5: 5.801,222.874 30.324,222.874 50.15,242.7 50.15,350.025 62.375,362.25 ; 6.872,206.364 23.128,206.364 23.128,222.874 ; 14.775,54.65 23.25,54.65 48.05,29.85 111.35,29.85 114.325,26.875 114.975,26.875 115.675,26.175 151,26.175 151,38.45 142.494,46.956 135.025,54.425 135.025,70.75 ; 14.925,254.8 14.925,257.35 18.325,260.75 18.325,292.03 ; 18.315,355.873 18.315,376.07 ; 18.325,306 18.325,342.05 ; 31.165,395.585 40.517,395.585 60.583,395.585 70.475,385.693 70.475,378.775 ; 62.575,362.1 70.025,362.1 ; 92.5,362.25 102.1,362.25 114.65,374.8 150,374.8 141.625,366.425 141.625,353.025 135.925,347.325 135.925,331.525 133.625,329.225
Bottom Solder:
  lines w3: 89.975,70.9 184.8,70.9
  lines w4: 77.8,58.7 185.3,58.7
  lines w5: 5.65,92.925 24.25,92.95 ; 6.872,13.364 111.939,13.364 114.25,15.675 223.066,15.675 ; 6.872,29.874 23.128,29.874 23.128,13.722 ; 6.872,76.364 23.128,76.364 ; 23.128,92.874 23.128,76.628 23.128,86.322 53.825,55.625 53.825,47.15 ; 74.675,46.195 74.675,55.575 77.8,58.7 77.8,58.725 89.975,70.9 ; 184.8,70.9 196.215,59.485 ; 185.3,58.7 196.6,47.4 ; 196.075,46.8 196.075,59.425
Mechanical 1:
  circle w0.254: c93.65,172.275 r3.484
  circle w0.1: c5.006,395.006 r1.5
  circle w0.1: c245.006,395.006 r1.5
  circle w0.1: c245.006,5.006 r1.5
  circle w0.1: c5.006,5.006 r1.5
  circle w0.1: c5.006,395.006 r1.5
  circle w0.1: c245.006,395.006 r1.5
  circle w0.1: c245.006,5.006 r1.5
  circle w0.1: c5.006,5.006 r1.5
  circle w0.1: c5.006,5.006 r1.5
  circle w0.1: c5.006,395.006 r1.5
  circle w0.1: c245.006,5.006 r1.5
  circle w0.1: c245.006,395.006 r1.5
  lines w0.1: 250,154 250.006,5.006 ; 0.006,5.006 ccw(c5.006,5.006) 5.006,0.006 ; 0.006,5.006 ccw(c5.006,5.006) 5.006,0.006 ; 0.006,5.006 ccw(c5.006,5.006) 5.006,0.006 ; 0.006,5.006 ccw(c5.006,5.006) 5.006,0.006 ; 0.006,5.006 0.006,395.006 ; 0.006,5.006 0.006,395.006 ; 0.006,395.006 cw(c5.006,395.006) 5.006,400.006 ; 0.006,395.006 cw(c5.006,395.006) 5.006,400.006 ; 0.006,395.006 cw(c5.006,395.006) 5.006,400.006 ; 0.006,395.006 cw(c5.006,395.006) 5.006,400.006 ; 5.006,0.006 245.006,0.006 ; 5.006,0.006 245.006,0.006 ; 5.006,400.006 245.006,400.006 ; 5.006,400.006 245.006,400.006 ; 245.006,0.006 ccw(c245.006,5.006) 250.006,5.006 ; 245.006,0.006 ccw(c245.006,5.006) 250.006,5.006 ; 245.006,0.006 ccw(c245.006,5.006) 250.006,5.006 ; 245.006,0.006 ccw(c245.006,5.006) 250.006,5.006 ; 245.006,400.006 cw(c245.006,395.006) 250.006,395.006 ; 245.006,400.006 cw(c245.006,395.006) 250.006,395.006 ; 245.006,400.006 cw(c245.006,395.006) 250.006,395.006 ; 245.006,400.006 cw(c245.006,395.006) 250.006,395.006 ; 250.006,5.006 250.006,154 100.006,154 100.006,231.85 250.006,231.85 ; 250.006,231.85 250.006,395.006 ; 250.006,231.85 250.006,395.006
  lines w0.2: 129.575,121.75 129.925,121.75 129.925,127.675 129.575,127.675 129.575,121.75

## Dimensions
5.006,0.006 to 5.006,400.006 on Top Overlay
0.006,395.006 to 250.006,395.006 on Top Overlay

## Text inside footprints (layer, text, board x,y; h text height)
C74: Top Overlay "+" at 19.558,152.563 h1.52 r90; Top Overlay "-" at 19.558,159.294 h1.52 r90
C81: Top Overlay "+" at 36.449,152.563 h1.52 r90; Top Overlay "-" at 36.449,159.294 h1.52 r90
U1: Bottom Overlay "*" at 227.218,317.509 h1.27 r90; Mechanical 13 "*" at 228.323,315.921 h1.27 r90
U3: Top Overlay "VCC" at 33.825,386.4 h0.6; Top Overlay "GND" at 27.442,387.778 h0.6; Top Overlay "Vref" at 27.188,385.212 h0.6; Top Overlay "Vout" at 31.176,390.521 h0.6
U4: Top Overlay "VCC" at 64.025,62.475 h0.6 r90; Top Overlay "GND" at 63.897,56.252 h0.6 r90; Top Overlay "Vref" at 66.463,55.998 h0.6 r90; Top Overlay "Vout" at 61.154,59.986 h0.6 r90
U5: Bottom Overlay "*" at 234.569,82.768 h1.27 r270; Mechanical 13 "*" at 233.464,84.355 h1.27 r270
U7: Bottom Overlay "*" at 189.576,317.651 h1.27 r90; Mechanical 13 "*" at 190.681,316.063 h1.27 r90
U10: Bottom Overlay "*" at 196.995,82.668 h1.27 r270; Mechanical 13 "*" at 195.89,84.255 h1.27 r270
U18: Bottom Overlay "*" at 152.232,317.398 h1.27 r90; Mechanical 13 "*" at 153.337,315.811 h1.27 r90
U20: Bottom Overlay "*" at 159.664,82.502 h1.27 r270; Mechanical 13 "*" at 158.559,84.09 h1.27 r270
U22: Bottom Overlay "*" at 114.712,317.532 h1.27 r90; Mechanical 13 "*" at 115.817,315.945 h1.27 r90
U25: Bottom Overlay "*" at 122.072,82.473 h1.27 r270; Mechanical 13 "*" at 120.967,84.061 h1.27 r270
U28: Top Overlay "VCC" at 208.114,257.338 h0.6 r180; Top Overlay "GND" at 212.483,254.722 h0.6 r180; Top Overlay "Vref" at 212.737,257.288 h0.6 r180; Top Overlay "Vout" at 208.749,251.979 h0.6 r180
U31: Top Overlay "VCC" at 144.886,252.662 h0.6; Top Overlay "GND" at 140.517,255.278 h0.6; Top Overlay "Vref" at 140.263,252.712 h0.6; Top Overlay "Vout" at 144.251,258.021 h0.6